# KiCad board FetsAndCrosses.kicad_pcb (continued)
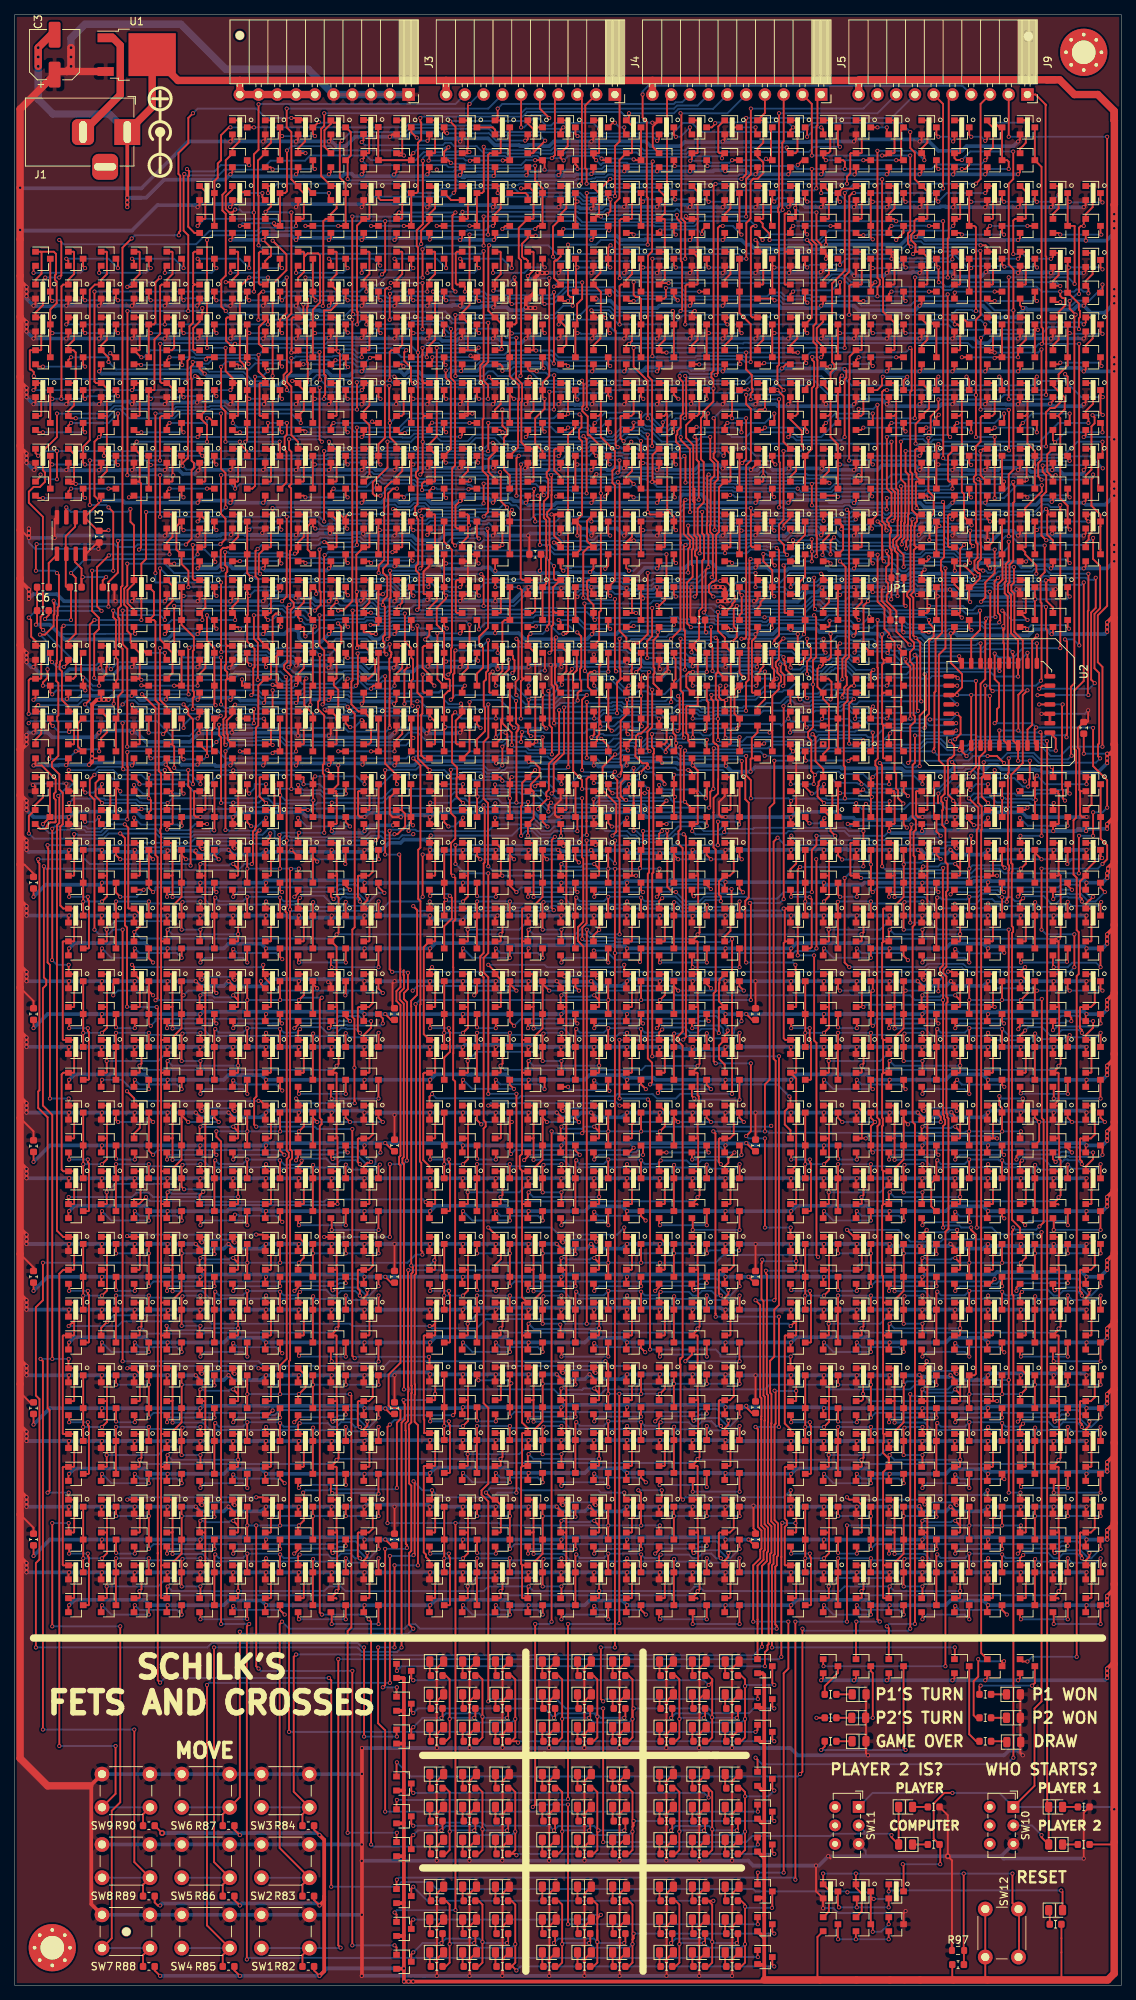
[diagram p0: board, top side]
## Placement (name value [footprint] x y rotation side) (continued)
Q960  BSS84  [SOT-23-P]  43.81 144.78 0 top
Q961  2N7002  [SOT-23-N]  39.37 140.33 0 top
Q962  2N7002  [SOT-23-N]  43.81 140.33 0 top
Q963  2N7002  [SOT-23-N]  48.26 140.33 0 top
Q964  BSS84  [SOT-23-P]  48.26 144.78 0 top
Q965  BSS84  [SOT-23-P]  39.37 153.67 0 top
Q966  BSS84  [SOT-23-P]  43.81 153.67 0 top
Q967  2N7002  [SOT-23-N]  39.37 149.22 0 top
Q968  2N7002  [SOT-23-N]  43.81 149.22 0 top
Q969  2N7002  [SOT-23-N]  48.26 149.22 0 top
Q970  BSS84  [SOT-23-P]  48.26 153.67 0 top
Q971  BSS84  [SOT-23-P]  21.59 153.67 0 top
Q972  2N7002  [SOT-23-N]  21.59 149.22 0 top
Q973  2N7002  [SOT-23-N]  26.04 149.22 0 top
Q974  BSS84  [SOT-23-P]  26.04 153.67 0 top
Q975  BSS84  [SOT-23-P]  97.17 162.56 0 top
Q976  2N7002  [SOT-23-N]  97.17 158.11 0 top
Q977  BSS84  [SOT-23-P]  128.29 158.11 0 top
Q978  2N7002  [SOT-23-N]  141.62 158.11 0 top
Q979  BSS84  [SOT-23-P]  128.29 162.56 0 top
Q980  2N7002  [SOT-23-N]  141.62 162.56 0 top
Q981  BSS84  [SOT-23-P]  146.07 162.56 0 top
Q982  2N7002  [SOT-23-N]  146.07 158.11 0 top
Q983  BSS84  [SOT-23-P]  57.17 158.11 0 top
Q984  2N7002  [SOT-23-N]  70.5 158.11 0 top
Q985  BSS84  [SOT-23-P]  61.59 144.78 0 top
Q986  BSS84  [SOT-23-P]  66.04 144.78 0 top
Q987  2N7002  [SOT-23-N]  61.59 140.33 0 top
Q988  2N7002  [SOT-23-N]  66.04 140.33 0 top
Q989  2N7002  [SOT-23-N]  70.48 140.33 0 top
Q990  BSS84  [SOT-23-P]  70.48 144.78 0 top
Q991  BSS84  [SOT-23-P]  79.38 153.67 0 top
Q992  2N7002  [SOT-23-N]  79.38 149.22 0 top
Q993  2N7002  [SOT-23-N]  83.82 149.22 0 top
Q994  BSS84  [SOT-23-P]  83.82 153.67 0 top
Q995  BSS84  [SOT-23-P]  74.93 144.78 0 top
Q996  BSS84  [SOT-23-P]  79.38 144.78 0 top
Q997  2N7002  [SOT-23-N]  74.93 140.33 0 top
Q998  2N7002  [SOT-23-N]  79.38 140.33 0 top
Q999  2N7002  [SOT-23-N]  83.82 140.33 0 top
Q1000  BSS84  [SOT-23-P]  83.82 144.78 0 top
Q1001  BSS84  [SOT-23-P]  88.27 144.78 0 top
Q1002  BSS84  [SOT-23-P]  92.71 144.78 0 top
Q1003  2N7002  [SOT-23-N]  88.27 140.33 0 top
Q1004  2N7002  [SOT-23-N]  92.71 140.33 0 top
Q1005  2N7002  [SOT-23-N]  97.16 140.33 0 top
Q1006  BSS84  [SOT-23-P]  97.16 144.78 0 top
Q1007  BSS84  [SOT-23-P]  88.27 153.67 0 top
Q1008  BSS84  [SOT-23-P]  92.71 153.67 0 top
Q1009  2N7002  [SOT-23-N]  88.27 149.22 0 top
Q1010  2N7002  [SOT-23-N]  92.71 149.22 0 top
Q1011  2N7002  [SOT-23-N]  97.16 149.22 0 top
Q1012  BSS84  [SOT-23-P]  97.16 153.67 0 top
Q1013  BSS84  [SOT-23-P]  70.48 153.67 0 top
Q1014  2N7002  [SOT-23-N]  70.48 149.22 0 top
Q1015  2N7002  [SOT-23-N]  74.93 149.22 0 top
Q1016  BSS84  [SOT-23-P]  74.93 153.67 0 top
Q1017  BSS84  [SOT-23-P]  57.17 162.56 0 top
Q1018  2N7002  [SOT-23-N]  70.5 162.56 0 top
Q1019  BSS84  [SOT-23-P]  74.95 162.56 0 top
Q1020  2N7002  [SOT-23-N]  74.95 158.11 0 top
Q1021  BSS84  [SOT-23-P]  106.06 158.11 0 top
Q1022  2N7002  [SOT-23-N]  119.4 158.11 0 top
Q1023  BSS84  [SOT-23-P]  106.06 162.56 0 top
Q1024  2N7002  [SOT-23-N]  119.4 162.56 0 top
Q1025  BSS84  [SOT-23-P]  123.84 162.56 0 top
Q1026  2N7002  [SOT-23-N]  123.84 158.11 0 top
Q1027  BSS84  [SOT-23-P]  110.49 144.78 0 top
Q1028  BSS84  [SOT-23-P]  114.94 144.78 0 top
Q1029  2N7002  [SOT-23-N]  110.49 140.33 0 top
Q1030  2N7002  [SOT-23-N]  114.94 140.33 0 top
Q1031  2N7002  [SOT-23-N]  119.38 140.33 0 top
Q1032  BSS84  [SOT-23-P]  119.38 144.78 0 top
Q1033  BSS84  [SOT-23-P]  128.27 153.67 0 top
Q1034  2N7002  [SOT-23-N]  128.27 149.22 0 top
Q1035  2N7002  [SOT-23-N]  132.72 149.22 0 top
Q1036  BSS84  [SOT-23-P]  132.72 153.67 0 top
Q1037  BSS84  [SOT-23-P]  123.83 144.78 0 top
Q1038  BSS84  [SOT-23-P]  128.27 144.78 0 top
Q1039  2N7002  [SOT-23-N]  123.83 140.33 0 top
Q1040  2N7002  [SOT-23-N]  128.27 140.33 0 top
Q1041  2N7002  [SOT-23-N]  132.72 140.33 0 top
Q1042  BSS84  [SOT-23-P]  132.72 144.78 0 top
Q1043  BSS84  [SOT-23-P]  137.16 144.78 0 top
Q1044  BSS84  [SOT-23-P]  141.6 144.78 0 top
Q1045  2N7002  [SOT-23-N]  137.16 140.33 0 top
Q1046  2N7002  [SOT-23-N]  141.6 140.33 0 top
Q1047  2N7002  [SOT-23-N]  146.05 140.33 0 top
Q1048  BSS84  [SOT-23-P]  146.05 144.78 0 top
Q1049  BSS84  [SOT-23-P]  137.16 153.67 0 top
Q1050  BSS84  [SOT-23-P]  141.6 153.67 0 top
Q1051  2N7002  [SOT-23-N]  137.16 149.22 0 top
Q1052  2N7002  [SOT-23-N]  141.6 149.22 0 top
Q1053  2N7002  [SOT-23-N]  146.05 149.22 0 top
Q1054  BSS84  [SOT-23-P]  146.05 153.67 0 top
Q1055  BSS84  [SOT-23-P]  119.38 153.67 0 top
Q1056  2N7002  [SOT-23-N]  119.38 149.22 0 top
Q1057  2N7002  [SOT-23-N]  123.83 149.22 0 top
Q1058  BSS84  [SOT-23-P]  123.83 153.67 0 top
Q1059  BSS84  [SOT-23-P]  79.39 180.34 0 top
Q1060  2N7002  [SOT-23-N]  79.39 167 0 top
Q1061  BSS84  [SOT-23-P]  83.84 180.34 0 top
Q1062  2N7002  [SOT-23-N]  83.84 167 0 top
Q1063  BSS84  [SOT-23-P]  88.28 180.34 0 top
Q1064  2N7002  [SOT-23-N]  88.28 175.89 0 top
Q1065  BSS84  [SOT-23-P]  66.06 180.34 0 top
Q1066  2N7002  [SOT-23-N]  66.06 167 0 top
Q1067  BSS84  [SOT-23-P]  70.5 180.34 0 top
Q1068  2N7002  [SOT-23-N]  70.5 167 0 top
Q1069  BSS84  [SOT-23-P]  12.7 127 0 top
Q1070  BSS84  [SOT-23-P]  17.14 127 0 top
Q1071  2N7002  [SOT-23-N]  12.7 122.55 0 top
Q1072  2N7002  [SOT-23-N]  17.14 122.55 0 top
Q1073  2N7002  [SOT-23-N]  21.59 122.55 0 top
Q1074  BSS84  [SOT-23-P]  21.59 127 0 top
Q1075  BSS84  [SOT-23-P]  30.48 135.89 0 top
Q1076  2N7002  [SOT-23-N]  30.48 131.44 0 top
Q1077  2N7002  [SOT-23-N]  34.92 131.44 0 top
Q1078  BSS84  [SOT-23-P]  34.92 135.89 0 top
Q1079  BSS84  [SOT-23-P]  26.04 127 0 top
Q1080  BSS84  [SOT-23-P]  30.48 127 0 top
Q1081  2N7002  [SOT-23-N]  26.04 122.55 0 top
Q1082  2N7002  [SOT-23-N]  30.48 122.55 0 top
Q1083  2N7002  [SOT-23-N]  34.92 122.55 0 top
Q1084  BSS84  [SOT-23-P]  34.92 127 0 top
Q1085  BSS84  [SOT-23-P]  39.37 127 0 top
Q1086  BSS84  [SOT-23-P]  43.81 127 0 top
Q1087  2N7002  [SOT-23-N]  39.37 122.55 0 top
Q1088  2N7002  [SOT-23-N]  43.81 122.55 0 top
Q1089  2N7002  [SOT-23-N]  48.26 122.55 0 top
Q1090  BSS84  [SOT-23-P]  48.26 127 0 top
Q1091  BSS84  [SOT-23-P]  39.37 135.89 0 top
Q1092  BSS84  [SOT-23-P]  43.81 135.89 0 top
Q1093  2N7002  [SOT-23-N]  39.37 131.44 0 top
Q1094  2N7002  [SOT-23-N]  43.81 131.44 0 top
Q1095  2N7002  [SOT-23-N]  48.26 131.44 0 top
Q1096  BSS84  [SOT-23-P]  48.26 135.89 0 top
Q1097  BSS84  [SOT-23-P]  21.59 135.89 0 top
Q1098  2N7002  [SOT-23-N]  21.59 131.44 0 top
Q1099  2N7002  [SOT-23-N]  26.04 131.44 0 top
Q1100  BSS84  [SOT-23-P]  26.04 135.89 0 top
Q1101  BSS84  [SOT-23-P]  74.95 180.34 0 top
Q1102  2N7002  [SOT-23-N]  74.95 175.89 0 top
Q1103  BSS84  [SOT-23-P]  17.16 153.67 0 top
Q1104  2N7002  [SOT-23-N]  17.16 149.22 0 top
Q1105  2N7002  [SOT-23-N]  12.72 149.22 0 top
Q1106  BSS84  [SOT-23-P]  12.72 153.67 0 top
Q1107  BSS84  [SOT-23-P]  8.27 153.67 0 top
Q1108  2N7002  [SOT-23-N]  8.27 149.22 0 top
Q1109  2N7002  [SOT-23-N]  8.27 140.33 0 top
Q1110  BSS84  [SOT-23-P]  8.27 144.78 0 top
Q1111  BSS84  [SOT-23-P]  61.59 127 0 top
Q1112  BSS84  [SOT-23-P]  66.04 127 0 top
Q1113  2N7002  [SOT-23-N]  61.59 122.55 0 top
Q1114  2N7002  [SOT-23-N]  66.04 122.55 0 top
Q1115  2N7002  [SOT-23-N]  70.48 122.55 0 top
Q1116  BSS84  [SOT-23-P]  70.48 127 0 top
Q1117  BSS84  [SOT-23-P]  79.38 135.89 0 top
Q1118  2N7002  [SOT-23-N]  79.38 131.44 0 top
Q1119  2N7002  [SOT-23-N]  83.82 131.44 0 top
Q1120  BSS84  [SOT-23-P]  83.82 135.89 0 top
Q1121  BSS84  [SOT-23-P]  74.93 127 0 top
Q1122  BSS84  [SOT-23-P]  79.38 127 0 top
Q1123  2N7002  [SOT-23-N]  74.93 122.55 0 top
Q1124  2N7002  [SOT-23-N]  79.38 122.55 0 top
Q1125  2N7002  [SOT-23-N]  83.82 122.55 0 top
Q1126  BSS84  [SOT-23-P]  83.82 127 0 top
Q1127  BSS84  [SOT-23-P]  88.27 127 0 top
Q1128  BSS84  [SOT-23-P]  92.71 127 0 top
Q1129  2N7002  [SOT-23-N]  88.27 122.55 0 top
Q1130  2N7002  [SOT-23-N]  92.71 122.55 0 top
Q1131  2N7002  [SOT-23-N]  97.16 122.55 0 top
Q1132  BSS84  [SOT-23-P]  97.16 127 0 top
Q1133  BSS84  [SOT-23-P]  88.27 135.89 0 top
Q1134  BSS84  [SOT-23-P]  92.71 135.89 0 top
Q1135  2N7002  [SOT-23-N]  88.27 131.44 0 top
Q1136  2N7002  [SOT-23-N]  92.71 131.44 0 top
Q1137  2N7002  [SOT-23-N]  97.16 131.44 0 top
Q1138  BSS84  [SOT-23-P]  97.16 135.89 0 top
Q1139  BSS84  [SOT-23-P]  70.48 135.89 0 top
Q1140  2N7002  [SOT-23-N]  70.48 131.44 0 top
Q1141  2N7002  [SOT-23-N]  74.93 131.44 0 top
Q1142  BSS84  [SOT-23-P]  74.93 135.89 0 top
Q1143  BSS84  [SOT-23-P]  66.06 153.67 0 top
Q1144  2N7002  [SOT-23-N]  66.06 149.22 0 top
Q1145  2N7002  [SOT-23-N]  61.61 149.22 0 top
Q1146  BSS84  [SOT-23-P]  61.61 153.67 0 top
Q1147  BSS84  [SOT-23-P]  57.17 153.67 0 top
Q1148  2N7002  [SOT-23-N]  57.17 149.22 0 top
Q1149  2N7002  [SOT-23-N]  57.17 140.33 0 top
Q1150  BSS84  [SOT-23-P]  57.17 144.78 0 top
Q1151  BSS84  [SOT-23-P]  114.95 153.67 0 top
Q1152  2N7002  [SOT-23-N]  114.95 149.22 0 top
Q1153  BSS84  [SOT-23-P]  110.49 127 0 top
Q1154  BSS84  [SOT-23-P]  114.94 127 0 top
Q1155  2N7002  [SOT-23-N]  110.49 122.55 0 top
Q1156  2N7002  [SOT-23-N]  114.94 122.55 0 top
Q1157  2N7002  [SOT-23-N]  119.38 122.55 0 top
Q1158  BSS84  [SOT-23-P]  119.38 127 0 top
Q1159  BSS84  [SOT-23-P]  128.27 135.89 0 top
Q1160  2N7002  [SOT-23-N]  128.27 131.44 0 top
Q1161  2N7002  [SOT-23-N]  132.72 131.44 0 top
Q1162  BSS84  [SOT-23-P]  132.72 135.89 0 top
Q1163  BSS84  [SOT-23-P]  123.83 127 0 top
Q1164  BSS84  [SOT-23-P]  128.27 127 0 top
Q1165  2N7002  [SOT-23-N]  123.83 122.55 0 top
Q1166  2N7002  [SOT-23-N]  128.27 122.55 0 top
Q1167  2N7002  [SOT-23-N]  132.72 122.55 0 top
Q1168  BSS84  [SOT-23-P]  132.72 127 0 top
Q1169  BSS84  [SOT-23-P]  137.16 127 0 top
Q1170  BSS84  [SOT-23-P]  141.6 127 0 top
Q1171  2N7002  [SOT-23-N]  137.16 122.55 0 top
Q1172  2N7002  [SOT-23-N]  141.6 122.55 0 top
Q1173  2N7002  [SOT-23-N]  146.05 122.55 0 top
Q1174  BSS84  [SOT-23-P]  146.05 127 0 top
Q1175  BSS84  [SOT-23-P]  137.16 135.89 0 top
Q1176  BSS84  [SOT-23-P]  141.6 135.89 0 top
Q1177  2N7002  [SOT-23-N]  137.16 131.44 0 top
Q1178  2N7002  [SOT-23-N]  141.6 131.44 0 top
Q1179  2N7002  [SOT-23-N]  146.05 131.44 0 top
Q1180  BSS84  [SOT-23-P]  146.05 135.89 0 top
Q1181  BSS84  [SOT-23-P]  119.38 135.89 0 top
Q1182  2N7002  [SOT-23-N]  119.38 131.44 0 top
Q1183  2N7002  [SOT-23-N]  123.83 131.44 0 top
Q1184  BSS84  [SOT-23-P]  123.83 135.89 0 top
Q1185  2N7002  [SOT-23-N]  110.51 149.22 0 top
Q1186  BSS84  [SOT-23-P]  110.51 153.67 0 top
Q1187  BSS84  [SOT-23-P]  106.06 153.67 0 top
Q1188  2N7002  [SOT-23-N]  106.06 149.22 0 top
Q1189  2N7002  [SOT-23-N]  106.06 140.33 0 top
Q1190  BSS84  [SOT-23-P]  106.06 144.78 0 top
Q1191  BSS84  [SOT-23-P]  17.16 135.89 0 top
Q1192  2N7002  [SOT-23-N]  17.16 131.44 0 top
Q1193  2N7002  [SOT-23-N]  12.72 131.44 0 top
Q1194  BSS84  [SOT-23-P]  12.72 135.89 0 top
Q1195  BSS84  [SOT-23-P]  12.7 109.22 0 top
Q1196  BSS84  [SOT-23-P]  17.14 109.22 0 top
Q1197  2N7002  [SOT-23-N]  12.7 104.77 0 top
Q1198  2N7002  [SOT-23-N]  17.14 104.77 0 top
Q1199  2N7002  [SOT-23-N]  21.59 104.77 0 top
Q1200  BSS84  [SOT-23-P]  21.59 109.22 0 top
Q1201  BSS84  [SOT-23-P]  30.48 118.11 0 top
Q1202  2N7002  [SOT-23-N]  30.48 113.66 0 top
Q1203  2N7002  [SOT-23-N]  34.92 113.66 0 top
Q1204  BSS84  [SOT-23-P]  34.92 118.11 0 top
Q1205  BSS84  [SOT-23-P]  26.04 109.22 0 top
Q1206  BSS84  [SOT-23-P]  30.48 109.22 0 top
Q1207  2N7002  [SOT-23-N]  26.04 104.77 0 top
Q1208  2N7002  [SOT-23-N]  30.48 104.77 0 top
Q1209  2N7002  [SOT-23-N]  34.92 104.77 0 top
Q1210  BSS84  [SOT-23-P]  34.92 109.22 0 top
Q1211  BSS84  [SOT-23-P]  39.37 109.22 0 top
Q1212  BSS84  [SOT-23-P]  43.81 109.22 0 top
Q1213  2N7002  [SOT-23-N]  39.37 104.77 0 top
Q1214  2N7002  [SOT-23-N]  43.81 104.77 0 top
Q1215  2N7002  [SOT-23-N]  48.26 104.77 0 top
Q1216  BSS84  [SOT-23-P]  48.26 109.22 0 top
Q1217  BSS84  [SOT-23-P]  39.37 118.11 0 top
Q1218  BSS84  [SOT-23-P]  43.81 118.11 0 top
Q1219  2N7002  [SOT-23-N]  39.37 113.66 0 top
Q1220  2N7002  [SOT-23-N]  43.81 113.66 0 top
Q1221  2N7002  [SOT-23-N]  48.26 113.66 0 top
Q1222  BSS84  [SOT-23-P]  48.26 118.11 0 top
Q1223  BSS84  [SOT-23-P]  21.59 118.11 0 top
Q1224  2N7002  [SOT-23-N]  21.59 113.66 0 top
Q1225  2N7002  [SOT-23-N]  26.04 113.66 0 top
Q1226  BSS84  [SOT-23-P]  26.04 118.11 0 top
Q1227  BSS84  [SOT-23-P]  8.27 135.89 0 top
Q1228  2N7002  [SOT-23-N]  8.27 131.44 0 top
Q1229  2N7002  [SOT-23-N]  8.27 122.55 0 top
Q1230  BSS84  [SOT-23-P]  8.27 127 0 top
Q1231  BSS84  [SOT-23-P]  66.06 135.89 0 top
Q1232  2N7002  [SOT-23-N]  66.06 131.44 0 top
Q1233  2N7002  [SOT-23-N]  61.61 131.44 0 top
Q1234  BSS84  [SOT-23-P]  61.61 135.89 0 top
Q1235  BSS84  [SOT-23-P]  57.17 135.89 0 top
Q1236  2N7002  [SOT-23-N]  57.17 131.44 0 top
Q1237  BSS84  [SOT-23-P]  61.59 109.22 0 top
Q1238  BSS84  [SOT-23-P]  66.04 109.22 0 top
Q1239  2N7002  [SOT-23-N]  61.59 104.77 0 top
Q1240  2N7002  [SOT-23-N]  66.04 104.77 0 top
Q1241  2N7002  [SOT-23-N]  70.48 104.77 0 top
Q1242  BSS84  [SOT-23-P]  70.48 109.22 0 top
Q1243  BSS84  [SOT-23-P]  79.38 118.11 0 top
Q1244  2N7002  [SOT-23-N]  79.38 113.66 0 top
Q1245  2N7002  [SOT-23-N]  83.82 113.66 0 top
Q1246  BSS84  [SOT-23-P]  83.82 118.11 0 top
Q1247  BSS84  [SOT-23-P]  74.93 109.22 0 top
Q1248  BSS84  [SOT-23-P]  79.38 109.22 0 top
Q1249  2N7002  [SOT-23-N]  74.93 104.77 0 top
Q1250  2N7002  [SOT-23-N]  79.38 104.77 0 top
Q1251  2N7002  [SOT-23-N]  83.82 104.77 0 top
Q1252  BSS84  [SOT-23-P]  83.82 109.22 0 top
Q1253  BSS84  [SOT-23-P]  88.27 109.22 0 top
Q1254  BSS84  [SOT-23-P]  92.71 109.22 0 top
Q1255  2N7002  [SOT-23-N]  88.27 104.77 0 top
Q1256  2N7002  [SOT-23-N]  92.71 104.77 0 top
Q1257  2N7002  [SOT-23-N]  97.16 104.77 0 top
Q1258  BSS84  [SOT-23-P]  97.16 109.22 0 top
Q1259  BSS84  [SOT-23-P]  88.27 118.11 0 top
Q1260  BSS84  [SOT-23-P]  92.71 118.11 0 top
Q1261  2N7002  [SOT-23-N]  88.27 113.66 0 top
Q1262  2N7002  [SOT-23-N]  92.71 113.66 0 top
Q1263  2N7002  [SOT-23-N]  97.16 113.66 0 top
Q1264  BSS84  [SOT-23-P]  97.16 118.11 0 top
Q1265  BSS84  [SOT-23-P]  70.48 118.11 0 top
Q1266  2N7002  [SOT-23-N]  70.48 113.66 0 top
Q1267  2N7002  [SOT-23-N]  74.93 113.66 0 top
Q1268  BSS84  [SOT-23-P]  74.93 118.11 0 top
Q1269  2N7002  [SOT-23-N]  57.17 122.55 0 top
Q1270  BSS84  [SOT-23-P]  57.17 127 0 top
Q1271  BSS84  [SOT-23-P]  114.95 135.89 0 top
Q1272  2N7002  [SOT-23-N]  114.95 131.44 0 top
Q1273  2N7002  [SOT-23-N]  110.51 131.44 0 top
Q1274  BSS84  [SOT-23-P]  110.51 135.89 0 top
Q1275  BSS84  [SOT-23-P]  106.06 135.89 0 top
Q1276  2N7002  [SOT-23-N]  106.06 131.44 0 top
Q1277  2N7002  [SOT-23-N]  106.06 122.55 0 top
Q1278  BSS84  [SOT-23-P]  106.06 127 0 top
Q1279  BSS84  [SOT-23-P]  110.49 109.22 0 top
Q1280  BSS84  [SOT-23-P]  114.94 109.22 0 top
Q1281  2N7002  [SOT-23-N]  110.49 104.77 0 top
Q1282  2N7002  [SOT-23-N]  114.94 104.77 0 top
Q1283  2N7002  [SOT-23-N]  119.38 104.77 0 top
Q1284  BSS84  [SOT-23-P]  119.38 109.22 0 top
Q1285  BSS84  [SOT-23-P]  128.27 118.11 0 top
Q1286  2N7002  [SOT-23-N]  128.27 113.66 0 top
Q1287  2N7002  [SOT-23-N]  132.72 113.66 0 top
Q1288  BSS84  [SOT-23-P]  132.72 118.11 0 top
Q1289  BSS84  [SOT-23-P]  123.83 109.22 0 top
Q1290  BSS84  [SOT-23-P]  128.27 109.22 0 top
Q1291  2N7002  [SOT-23-N]  123.83 104.77 0 top
Q1292  2N7002  [SOT-23-N]  128.27 104.77 0 top
Q1293  2N7002  [SOT-23-N]  132.72 104.77 0 top
Q1294  BSS84  [SOT-23-P]  132.72 109.22 0 top
Q1295  BSS84  [SOT-23-P]  137.16 109.22 0 top
Q1296  BSS84  [SOT-23-P]  141.6 109.22 0 top
Q1297  2N7002  [SOT-23-N]  137.16 104.77 0 top
Q1298  2N7002  [SOT-23-N]  141.6 104.77 0 top
Q1299  2N7002  [SOT-23-N]  146.05 104.77 0 top
Q1300  BSS84  [SOT-23-P]  146.05 109.22 0 top
Q1301  BSS84  [SOT-23-P]  137.16 118.11 0 top
Q1302  BSS84  [SOT-23-P]  141.6 118.11 0 top
Q1303  2N7002  [SOT-23-N]  137.16 113.66 0 top
Q1304  2N7002  [SOT-23-N]  141.6 113.66 0 top
Q1305  2N7002  [SOT-23-N]  146.05 113.66 0 top
Q1306  BSS84  [SOT-23-P]  146.05 118.11 0 top
Q1307  BSS84  [SOT-23-P]  119.38 118.11 0 top
Q1308  2N7002  [SOT-23-N]  119.38 113.66 0 top
Q1309  2N7002  [SOT-23-N]  123.83 113.66 0 top
Q1310  BSS84  [SOT-23-P]  123.83 118.11 0 top
Q1311  BSS84  [SOT-23-P]  17.16 118.11 0 top
Q1312  2N7002  [SOT-23-N]  17.16 113.66 0 top
Q1313  2N7002  [SOT-23-N]  12.72 113.66 0 top
Q1314  BSS84  [SOT-23-P]  12.72 118.11 0 top
Q1315  BSS84  [SOT-23-P]  8.27 118.11 0 top
Q1316  2N7002  [SOT-23-N]  8.27 113.66 0 top
Q1317  2N7002  [SOT-23-N]  8.27 104.77 0 top
Q1318  BSS84  [SOT-23-P]  8.27 109.22 0 top
Q1319  BSS84  [SOT-23-P]  66.06 118.11 0 top
Q1320  2N7002  [SOT-23-N]  66.06 113.66 0 top
Q1321  2N7002  [SOT-23-N]  52.7 33.65 0 top
Q1322  2N7002  [SOT-23-N]  101.6 34.29 0 top
Q1323  2N7002  [SOT-23-N]  52.7 38.1 0 top
Q1324  2N7002  [SOT-23-N]  101.6 38.73 0 top
Q1325  2N7002  [SOT-23-N]  52.7 42.54 0 top
Q1326  2N7002  [SOT-23-N]  101.6 43.18 0 top
Q1327  2N7002  [SOT-23-N]  52.7 18.41 0 top
Q1328  2N7002  [SOT-23-N]  101.6 19.05 0 top
Q1329  2N7002  [SOT-23-N]  52.7 22.86 0 top
Q1330  2N7002  [SOT-23-N]  101.6 23.49 0 top
Q1331  2N7002  [SOT-23-N]  52.7 27.3 0 top
Q1332  2N7002  [SOT-23-N]  101.6 27.94 0 top
Q1333  2N7002  [SOT-23-N]  52.7 3.18 0 top
Q1334  2N7002  [SOT-23-N]  101.6 3.81 0 top
Q1335  2N7002  [SOT-23-N]  52.7 7.62 0 top
Q1336  2N7002  [SOT-23-N]  101.6 8.25 0 top
Q1337  2N7002  [SOT-23-N]  52.7 12.06 0 top
Q1338  2N7002  [SOT-23-N]  101.6 12.7 0 top
Q1340  2N7002  [SOT-23-N]  119.38 43.18 0 top
Q1341  2N7002  [SOT-23-N]  137.16 43.18 0 top
Q1342  2N7002  [SOT-23-N]  132.72 43.18 0 top
Q1343  2N7002  [SOT-23-N]  128.27 43.18 0 top
Q1344  2N7002  [SOT-23-N]  110.49 43.18 0 top
Q1345  2N7002  [SOT-23-N]  114.94 43.18 0 top
Q1346  BSS84  [SOT-23-P]  106.05 167 0 top
Q1347  BSS84  [SOT-23-P]  114.94 167 0 top
Q1348  2N7002  [SOT-23-N]  110.49 171.45 0 top
Q1349  2N7002  [SOT-23-N]  119.38 175.89 0 top
Q1350  BSS84  [SOT-23-P]  106.05 171.45 0 top
Q1351  BSS84  [SOT-23-P]  114.94 171.45 0 top
Q1352  BSS84  [SOT-23-P]  106.05 175.89 0 top
Q1353  2N7002  [SOT-23-N]  110.49 167 0 top
Q1354  2N7002  [SOT-23-N]  119.38 171.45 0 top
Q1355  2N7002  [SOT-23-N]  110.49 180.34 0 top
Q1356  BSS84  [SOT-23-P]  114.94 175.89 0 top
Q1357  BSS84  [SOT-23-P]  106.05 180.34 0 top
Q1358  BSS84  [SOT-23-P]  114.94 180.34 0 top
Q1359  2N7002  [SOT-23-N]  119.38 167 0 top
Q1360  2N7002  [SOT-23-N]  110.49 175.89 0 top
Q1361  2N7002  [SOT-23-N]  119.38 180.34 0 top
Q1362  2N7002  [SOT-23-N]  61.61 113.66 0 top
Q1363  BSS84  [SOT-23-P]  17.14 189.23 0 top
Q1364  2N7002  [SOT-23-N]  17.14 184.78 0 top
Q1365  BSS84  [SOT-23-P]  61.61 118.11 0 top
Q1366  BSS84  [SOT-23-P]  57.17 118.11 0 top
Q1367  2N7002  [SOT-23-N]  57.17 113.66 0 top
Q1368  2N7002  [SOT-23-N]  57.17 104.77 0 top
Q1369  BSS84  [SOT-23-P]  57.17 109.22 0 top
Q1370  BSS84  [SOT-23-P]  114.95 118.11 0 top
Q1371  2N7002  [SOT-23-N]  114.95 113.66 0 top
Q1372  2N7002  [SOT-23-N]  110.51 113.66 0 top
Q1373  BSS84  [SOT-23-P]  110.51 118.11 0 top
Q1374  BSS84  [SOT-23-P]  106.06 118.11 0 top
Q1375  2N7002  [SOT-23-N]  106.06 113.66 0 top
Q1376  2N7002  [SOT-23-N]  106.06 104.77 0 top
Q1377  BSS84  [SOT-23-P]  106.06 109.22 0 top
Q1378  2N7002  [SOT-23-N]  101.6 171.45 0 top
Q1379  2N7002  [SOT-23-N]  106.05 184.78 0 top
Q1380  BSS84  [SOT-23-P]  106.05 198.12 0 top
Q1381  BSS84  [SOT-23-P]  106.05 193.67 0 top
Q1382  BSS84  [SOT-23-P]  106.05 189.23 0 top
Q1383  2N7002  [SOT-23-N]  101.6 167 0 top
Q1384  BSS84  [SOT-23-P]  88.27 171.45 0 top
Q1385  2N7002  [SOT-23-N]  88.27 167 0 top
Q1391  BSS84  [SOT-23-P]  110.49 12.7 0 top
Q1392  BSS84  [SOT-23-P]  114.94 12.7 0 top
Q1393  2N7002  [SOT-23-N]  114.94 8.25 0 top
Q1394  2N7002  [SOT-23-N]  110.49 8.25 0 top
Q1395  BSS84  [SOT-23-P]  119.38 12.7 0 top
Q1396  2N7002  [SOT-23-N]  119.38 8.25 0 top
R1  1K  [R_0603_1608Metric_NOLBL]  57.15 41.91 0 top
R2  20K  [R_0603_1608Metric_NOLBL]  57.15 37.46 0 top
R3  1K  [R_0603_1608Metric_NOLBL]  57.15 33.02 0 top
R4  20K  [R_0603_1608Metric_NOLBL]  61.59 41.91 0 top
R5  1K  [R_0603_1608Metric_NOLBL]  61.59 37.46 0 top
R6  20K  [R_0603_1608Metric_NOLBL]  61.59 33.02 0 top
R7  1K  [R_0603_1608Metric_NOLBL]  66.04 41.91 0 top
R8  20K  [R_0603_1608Metric_NOLBL]  66.04 37.46 0 top
R9  1K  [R_0603_1608Metric_NOLBL]  66.04 33.02 0 top
R10  1K  [R_0603_1608Metric_NOLBL]  72.39 41.91 0 top
R11  20K  [R_0603_1608Metric_NOLBL]  72.39 37.46 0 top
R12  1K  [R_0603_1608Metric_NOLBL]  72.39 33.02 0 top
R13  20K  [R_0603_1608Metric_NOLBL]  77.15 41.91 0 top
R14  1K  [R_0603_1608Metric_NOLBL]  77.15 37.46 0 top
R15  20K  [R_0603_1608Metric_NOLBL]  77.15 33.02 0 top
R16  1K  [R_0603_1608Metric_NOLBL]  81.92 41.91 0 top
R17  20K  [R_0603_1608Metric_NOLBL]  81.92 37.46 0 top
R18  1K  [R_0603_1608Metric_NOLBL]  81.92 33.02 0 top
R19  1K  [R_0603_1608Metric_NOLBL]  88.27 41.91 0 top
R20  20K  [R_0603_1608Metric_NOLBL]  88.27 37.46 0 top
R21  1K  [R_0603_1608Metric_NOLBL]  88.27 33.02 0 top
R22  20K  [R_0603_1608Metric_NOLBL]  92.71 41.91 0 top
R23  1K  [R_0603_1608Metric_NOLBL]  92.71 37.46 0 top
R24  20K  [R_0603_1608Metric_NOLBL]  92.71 33.02 0 top
R25  1K  [R_0603_1608Metric_NOLBL]  97.16 41.91 0 top
R26  20K  [R_0603_1608Metric_NOLBL]  97.16 37.46 0 top
R27  1K  [R_0603_1608Metric_NOLBL]  97.16 33.02 0 top
R28  1K  [R_0603_1608Metric_NOLBL]  57.15 26.67 0 top
R29  20K  [R_0603_1608Metric_NOLBL]  57.15 22.22 0 top
R30  1K  [R_0603_1608Metric_NOLBL]  57.15 17.78 0 top
R31  20K  [R_0603_1608Metric_NOLBL]  61.59 26.67 0 top
R32  1K  [R_0603_1608Metric_NOLBL]  61.59 22.22 0 top
R33  20K  [R_0603_1608Metric_NOLBL]  61.59 17.78 0 top
R34  1K  [R_0603_1608Metric_NOLBL]  66.04 26.67 0 top
R35  20K  [R_0603_1608Metric_NOLBL]  66.04 22.22 0 top
R36  1K  [R_0603_1608Metric_NOLBL]  66.04 17.78 0 top
R37  1K  [R_0603_1608Metric_NOLBL]  72.39 26.67 0 top
R38  20K  [R_0603_1608Metric_NOLBL]  72.39 22.22 0 top
R39  1K  [R_0603_1608Metric_NOLBL]  72.39 17.78 0 top
R40  20K  [R_0603_1608Metric_NOLBL]  77.15 26.67 0 top
R41  1K  [R_0603_1608Metric_NOLBL]  77.15 22.22 0 top
R42  20K  [R_0603_1608Metric_NOLBL]  77.15 17.78 0 top
R43  1K  [R_0603_1608Metric_NOLBL]  81.92 26.67 0 top
R44  20K  [R_0603_1608Metric_NOLBL]  81.92 22.22 0 top
R45  1K  [R_0603_1608Metric_NOLBL]  81.92 17.78 0 top
R46  1K  [R_0603_1608Metric_NOLBL]  88.27 26.67 0 top
R47  20K  [R_0603_1608Metric_NOLBL]  88.27 22.22 0 top
R48  1K  [R_0603_1608Metric_NOLBL]  88.27 17.78 0 top
R49  20K  [R_0603_1608Metric_NOLBL]  92.71 26.67 0 top
R50  1K  [R_0603_1608Metric_NOLBL]  92.71 22.22 0 top
R51  20K  [R_0603_1608Metric_NOLBL]  92.71 17.78 0 top
R52  1K  [R_0603_1608Metric_NOLBL]  97.16 26.67 0 top
R53  20K  [R_0603_1608Metric_NOLBL]  97.16 22.22 0 top
R54  1K  [R_0603_1608Metric_NOLBL]  97.16 17.78 0 top
R55  1K  [R_0603_1608Metric_NOLBL]  57.15 11.43 0 top
R56  20K  [R_0603_1608Metric_NOLBL]  57.15 6.98 0 top
R57  1K  [R_0603_1608Metric_NOLBL]  57.15 2.54 0 top
R58  20K  [R_0603_1608Metric_NOLBL]  61.59 11.43 0 top
R59  1K  [R_0603_1608Metric_NOLBL]  61.59 6.98 0 top
R60  20K  [R_0603_1608Metric_NOLBL]  61.59 2.54 0 top
R61  1K  [R_0603_1608Metric_NOLBL]  66.04 11.43 0 top
R62  20K  [R_0603_1608Metric_NOLBL]  66.04 6.98 0 top
R63  1K  [R_0603_1608Metric_NOLBL]  66.04 2.54 0 top
R64  1K  [R_0603_1608Metric_NOLBL]  72.39 11.43 0 top
R65  20K  [R_0603_1608Metric_NOLBL]  72.39 6.98 0 top
R66  1K  [R_0603_1608Metric_NOLBL]  72.39 2.54 0 top
R67  20K  [R_0603_1608Metric_NOLBL]  77.15 11.43 0 top
R68  1K  [R_0603_1608Metric_NOLBL]  77.15 6.98 0 top
R69  20K  [R_0603_1608Metric_NOLBL]  77.15 2.54 0 top
R70  1K  [R_0603_1608Metric_NOLBL]  81.92 11.43 0 top
R71  20K  [R_0603_1608Metric_NOLBL]  81.92 6.98 0 top
R72  1K  [R_0603_1608Metric_NOLBL]  81.92 2.54 0 top
R73  1K  [R_0603_1608Metric_NOLBL]  88.27 11.43 0 top
R74  20K  [R_0603_1608Metric_NOLBL]  88.27 6.98 0 top
R75  1K  [R_0603_1608Metric_NOLBL]  88.27 2.54 0 top
R76  20K  [R_0603_1608Metric_NOLBL]  92.71 11.43 0 top
R77  1K  [R_0603_1608Metric_NOLBL]  92.71 6.98 0 top
R78  20K  [R_0603_1608Metric_NOLBL]  92.71 2.54 0 top
R79  1K  [R_0603_1608Metric_NOLBL]  97.16 11.43 0 top
R80  20K  [R_0603_1608Metric_NOLBL]  97.16 6.98 0 top
R81  1K  [R_0603_1608Metric_NOLBL]  97.16 2.54 0 top
R82  10K  [R_0603_1608Metric]  39.75 2.54 0 top
R83  10K  [R_0603_1608Metric]  39.75 12.06 0 top
R84  10K  [R_0603_1608Metric]  39.75 21.59 0 top
R85  10K  [R_0603_1608Metric]  28.96 2.54 0 top
R86  10K  [R_0603_1608Metric]  28.96 12.06 0 top
R87  10K  [R_0603_1608Metric]  28.96 21.59 0 top
R88  10K  [R_0603_1608Metric]  18.16 2.54 0 top
R89  10K  [R_0603_1608Metric]  18.16 12.06 0 top
R90  10K  [R_0603_1608Metric]  18.16 21.59 0 top
R91  20K  [R_0603_1608Metric_NOLBL]  144.78 24.13 0 top
R92  1K  [R_0603_1608Metric_NOLBL]  144.78 19.05 0 top
R93  20K  [R_0603_1608Metric_NOLBL]  124.46 24.13 0 top
R94  1K  [R_0603_1608Metric_NOLBL]  124.46 19.05 0 top
R96  1K  [R_0603_1608Metric_NOLBL]  140.97 8.25 0 top
R97  1M  [R_0603_1608Metric#2]  127.76 4.7 0 top
R99  1K  [R_0603_1608Metric_NOLBL]  110.49 33.02 180 top
R102  20K  [R_0603_1608Metric_NOLBL]  131.44 39.37 180 top
R103  1K  [R_0603_1608Metric_NOLBL]  131.44 36.19 180 top